# Altium PCB Slave.PcbDoc (part 4 of 10) (continued)
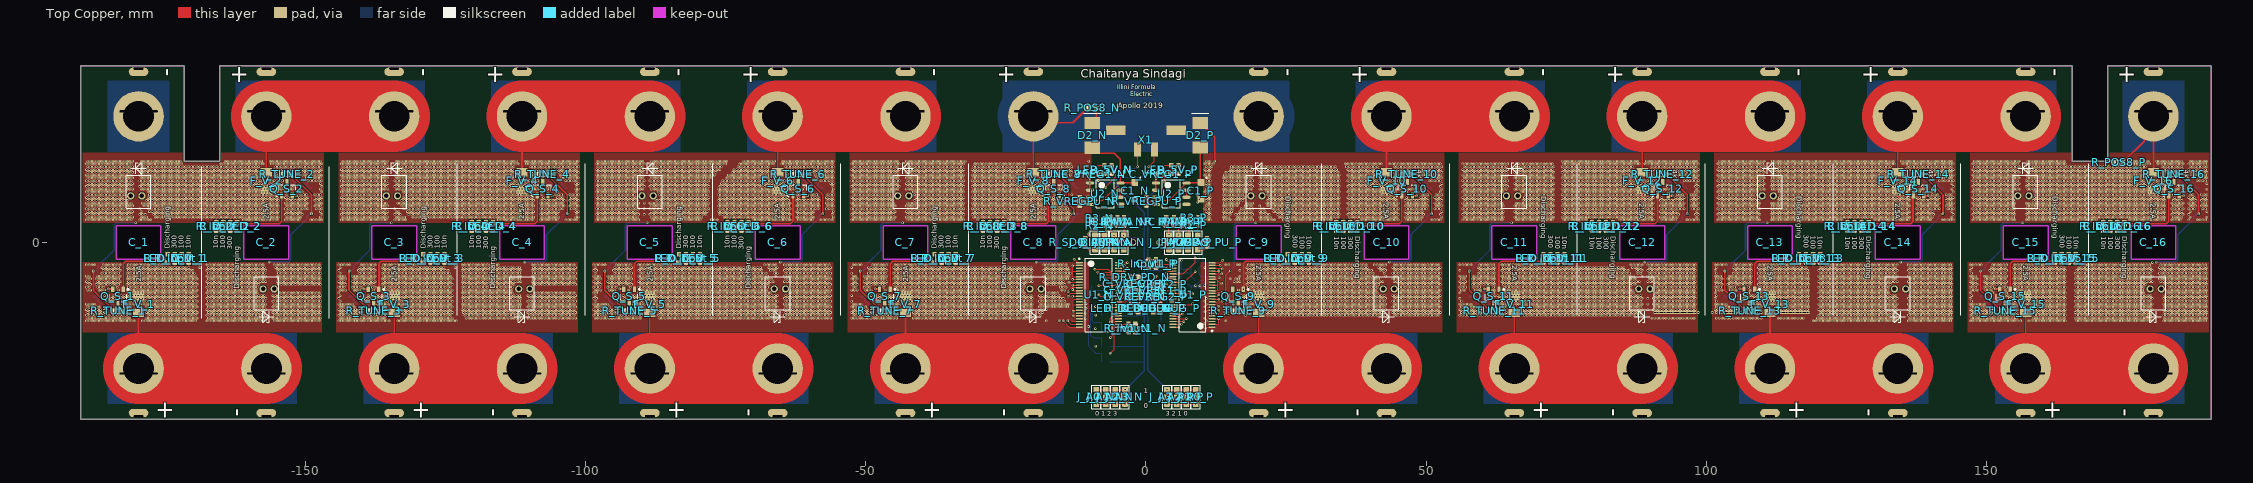
[diagram p0: Top Copper view]
## Nets (pads, with @x,y where several pads share a name; then routed paths per layer and width w, separated by ;. In a path a pad name is that pad's centre, name@x,y a point inside that pad or via, vN(x,y) a via of type N, cw(c..) or ccw(c..) an arc to the next point about the centre after c; other vN are vias at no path point) (continued)
F_7: C_V_7.2 F_V_7.2 PTC_7.2 Q_D_7.2 R_D_LED_7.2 R_Input_7.1 | length 3.9
  Top Copper w0.254: R_D_LED_7.2@-36.45,-3.6 R_Input_7.1@-35.2,-3.6 C_V_7.2@-33.95,-3.6
  Top Copper w0.305: F_V_7.2@-42.925,-9.48 v1@-42.925,-8.1
  other v1: -17.751,-14 -52.5,-13.5 -52,-13.5 -51.5,-13.5 -51,-13.5 -50.5,-13.5 -50,-13.5 -49.5,-13.5 -49,-13.5 -48.5,-13.5 -48,-13.5 -47.5,-13.5 -47,-13.5 -46.5,-13.5 -46,-13.5 -45.5,-13.5 -45,-13.5 -44.5,-13.5 -41.5,-13.5 -41,-13.5 -40.5,-13.5 -40,-13.5 -39.501,-13.5 -39.001,-13.5 -38.501,-13.5 -38.001,-13.5 -37.501,-13.5 -37.001,-13.5 -36.501,-13.5 -36.001,-13.5 -35.501,-13.5 -35.001,-13.5 -34.501,-13.5 -34.001,-13.5 -33.501,-13.5 -33.001,-13.5 -32.501,-13.5 -32.001,-13.5 -31.501,-13.5 -31.001,-13.5 -30.501,-13.5 -30.001,-13.5 -29.501,-13.5 -29.001,-13.5 -28.501,-13.5 -28.001,-13.5 -27.501,-13.5 -27.001,-13.5 -26.501,-13.5 -26.001,-13.5 -25.501,-13.5 -25.001,-13.5 -24.501,-13.5 -24.001,-13.5 -23.501,-13.5 -23.001,-13.5 -22.501,-13.5 -22.001,-13.5 -21.501,-13.5 -21.001,-13.5 -20.501,-13.5 -52.25,-13 -51.75,-13 -51.25,-13 -50.75,-13 -50.25,-13 -49.75,-13 -49.25,-13 -48.75,-13 -48.25,-13 -47.75,-13 -47.25,-13 -46.75,-13 -46.25,-13 -45.75,-13 -45.25,-13 -44.75,-13 -44.25,-13 -41.25,-13 -40.75,-13 -40.25,-13 -39.75,-13 -39.251,-13 -38.751,-13 -38.251,-13 -37.751,-13 -37.251,-13 -36.751,-13 -36.251,-13 -35.751,-13 -35.251,-13 -34.751,-13 -34.251,-13 -33.751,-13 -33.251,-13 -32.751,-13 -32.251,-13 -31.751,-13 -31.251,-13 -30.751,-13 -30.251,-13 -29.751,-13 -29.251,-13 -28.751,-13 -28.251,-13 -27.751,-13 -27.251,-13 -26.751,-13 -26.251,-13 -25.751,-13 -25.251,-13 -24.751,-13 -24.251,-13 -23.751,-13 -23.251,-13 -22.751,-13 -22.251,-13 -21.751,-13 -21.251,-13 -20.751,-13 -20.251,-13 -18.751,-13 -52.5,-12.5 -52,-12.5 -51.5,-12.5 -51,-12.5 -50.5,-12.5 -50,-12.5 -49.5,-12.5 -49,-12.5 -45,-12.5 -44.5,-12.5 -41.5,-12.5 -41,-12.5 -40.5,-12.5 -40,-12.5 -39.501,-12.5 -39.001,-12.5 -38.501,-12.5 -38.001,-12.5 -37.501,-12.5 -37.001,-12.5 -36.501,-12.5 -36.001,-12.5 -35.501,-12.5 -35.001,-12.5 -34.501,-12.5 -34.001,-12.5 -33.501,-12.5 -33.001,-12.5 -32.501,-12.5 -32.001,-12.5 -31.501,-12.5 -31.001,-12.5 -30.501,-12.5 -30.001,-12.5 -29.501,-12.5 -29.001,-12.5 -28.501,-12.5 -28.001,-12.5 -27.501,-12.5 -27.001,-12.5 -26.501,-12.5 -26.001,-12.5 -25.501,-12.5 -25.001,-12.5 -24.501,-12.5 -24.001,-12.5 -23.501,-12.5 -23.001,-12.5 -22.501,-12.5 -22.001,-12.5 -21.501,-12.5 -21.001,-12.5 -20.501,-12.5 -19.001,-12.5 -18.501,-12.5 -52.25,-12 -51.75,-12 -51.25,-12 -50.75,-12 -50.25,-12 -49.75,-12 -44.75,-12 -44.25,-12 -41.25,-12 -40.75,-12 -40.25,-12 -39.75,-12 -39.251,-12 -38.751,-12 -38.251,-12 -37.751,-12 -37.251,-12 -36.751,-12 -36.251,-12 -35.751,-12 -35.251,-12 -34.751,-12 -34.251,-12 -33.751,-12 -33.251,-12 -32.751,-12 -32.251,-12 -31.751,-12 -31.251,-12 -30.751,-12 -30.251,-12 -29.751,-12 -29.251,-12 -28.751,-12 -28.251,-12 -27.751,-12 -27.251,-12 -26.751,-12 -26.251,-12 -25.751,-12 -25.251,-12 -24.751,-12 -24.251,-12 -23.751,-12 -23.251,-12 -22.751,-12 -22.251,-12 -21.751,-12 -21.251,-12 -20.751,-12 -20.251,-12 -18.751,-12 -18.251,-12 -17.751,-12 -52.5,-11.5 -52,-11.5 -51.5,-11.5 -51,-11.5 -50.5,-11.5 -50,-11.5 -45,-11.5 -44.5,-11.5 -41.5,-11.5 -41,-11.5 -40.5,-11.5 -40,-11.5 -39.501,-11.5 -39.001,-11.5 -38.501,-11.5 -38.001,-11.5 -37.501,-11.5 -37.001,-11.5 -36.501,-11.5 -36.001,-11.5 -35.501,-11.5 -35.001,-11.5 -34.501,-11.5 -34.001,-11.5 -33.501,-11.5 -33.001,-11.5 -32.501,-11.5 -32.001,-11.5 -31.501,-11.5 -31.001,-11.5 -30.501,-11.5 -30.001,-11.5 -29.501,-11.5 -29.001,-11.5 -28.501,-11.5 -28.001,-11.5 -27.501,-11.5 -27.001,-11.5 -26.501,-11.5 -26.001,-11.5 -25.501,-11.5 -25.001,-11.5 -24.501,-11.5 -24.001,-11.5 -23.501,-11.5 -23.001,-11.5 -22.501,-11.5 -22.001,-11.5 -21.501,-11.5 -21.001,-11.5 -20.501,-11.5 -19.001,-11.5 -18.501,-11.5 -18.001,-11.5 -17.501,-11.5 -17.001,-11.5 -16.501,-11.5 -16.001,-11.5 -15.501,-11.5 -15.001,-11.5 -14.501,-11.5 -14.001,-11.5 -52.25,-11 -51.75,-11 -51.25,-11 -50.75,-11 -45.75,-11 -45.25,-11 -44.75,-11 -44.25,-11 -43.75,-11 -43.25,-11 -42.75,-11 -42.25,-11 -41.75,-11 -41.25,-11 -40.75,-11 -40.25,-11 -39.75,-11 -39.251,-11 -38.751,-11 -38.251,-11 -37.751,-11 -37.251,-11 -36.751,-11 -36.251,-11 -35.751,-11 -35.251,-11 -34.751,-11 -34.251,-11 -33.751,-11 -33.251,-11 -32.751,-11 -32.251,-11 -31.751,-11 -31.251,-11 -30.751,-11 -30.251,-11 -29.751,-11 -29.251,-11 -28.751,-11 -28.251,-11 -27.751,-11 -27.251,-11 -26.751,-11 -26.251,-11 -25.751,-11 -25.251,-11 -24.751,-11 -24.251,-11 -23.751,-11 -23.251,-11 -22.751,-11 -22.251,-11 -21.751,-11 -21.251,-11 -20.751,-11 -20.251,-11 -18.751,-11 -18.251,-11 -17.751,-11 -17.251,-11 -16.751,-11 -16.251,-11 -15.751,-11 -15.251,-11 -14.751,-11 -14.251,-11 -13.751,-11 -52.5,-10.5 -45.5,-10.5 -45,-10.5 -44.5,-10.5 -44,-10.5 -43.5,-10.5 -43,-10.5 -42.5,-10.5 -42,-10.5 -41.5,-10.5 -41,-10.5 -40.5,-10.5 -40,-10.5 -39.501,-10.5 -39.001,-10.5 -38.501,-10.5 -38.001,-10.5 -37.501,-10.5 -37.001,-10.5 -36.501,-10.5 -36.001,-10.5 -35.501,-10.5 -35.001,-10.5 -34.501,-10.5 -34.001,-10.5 -33.501,-10.5 -33.001,-10.5 -32.501,-10.5 -32.001,-10.5 -31.501,-10.5 -31.001,-10.5 -30.501,-10.5 -30.001,-10.5 -29.501,-10.5 -29.001,-10.5 -28.501,-10.5 -28.001,-10.5 -27.501,-10.5 -27.001,-10.5 -26.501,-10.5 -26.001,-10.5 -25.501,-10.5 -25.001,-10.5 -24.501,-10.5 -24.001,-10.5 -23.501,-10.5 -23.001,-10.5 -22.501,-10.5 -22.001,-10.5 -21.501,-10.5 -21.001,-10.5 -20.501,-10.5 -19.001,-10.5 -18.501,-10.5 -18.001,-10.5 -17.501,-10.5 -17.001,-10.5 -16.501,-10.5 -16.001,-10.5 -15.501,-10.5 -15.001,-10.5 -14.501,-10.5 -47.75,-10 -47.25,-10 -45.75,-10 -45.25,-10 -44.75,-10 -44.25,-10 -43.75,-10 -43.25,-10 -42.75,-10 -42.25,-10 -41.75,-10 -41.25,-10 -40.75,-10 -40.25,-10 -39.75,-10 -39.251,-10 -38.751,-10 -38.251,-10 -37.751,-10 -37.251,-10 -36.751,-10 -36.251,-10 -35.751,-10 -35.251,-10 -34.751,-10 -34.251,-10 -33.751,-10 -33.251,-10 -32.751,-10 -32.251,-10 -31.751,-10 -31.251,-10 -30.751,-10 -30.251,-10 -29.751,-10 -29.251,-10 -28.751,-10 -28.251,-10 -27.751,-10 -27.251,-10 -26.751,-10 -26.251,-10 -25.751,-10 -25.251,-10 -24.751,-10 -24.251,-10 -23.751,-10 -23.251,-10 -22.751,-10 -22.251,-10 -21.751,-10 -21.251,-10 -20.751,-10 -20.251,-10 -18.751,-10 -18.251,-10 -17.751,-10 -17.251,-10 -16.751,-10 -16.251,-10 -15.751,-10 -15.251,-10 -14.751,-10 -52.5,-9.5 -49,-9.5 -47.5,-9.5 -47,-9.5 -46.5,-9.5 -46,-9.5 -45.5,-9.5 -45,-9.5 -44.5,-9.5 -44,-9.5 -43.5,-9.5 -43,-9.5 -42.5,-9.5 -42,-9.5 -41.5,-9.5 -41,-9.5 -40.5,-9.5 -40,-9.5 -39.501,-9.5 -39.001,-9.5 -38.501,-9.5 -38.001,-9.5 -37.501,-9.5 -37.001,-9.5 -36.501,-9.5 -36.001,-9.5 -35.501,-9.5 -35.001,-9.5 -34.501,-9.5 -34.001,-9.5 -33.501,-9.5 -33.001,-9.5 -32.501,-9.5 -32.001,-9.5 -31.501,-9.5 -31.001,-9.5 -30.501,-9.5 -30.001,-9.5 -29.501,-9.5 -29.001,-9.5 -28.501,-9.5 -28.001,-9.5 -27.501,-9.5 -27.001,-9.5 -26.501,-9.5 -26.001,-9.5 -25.501,-9.5 -25.001,-9.5 -24.501,-9.5 -24.001,-9.5 -23.501,-9.5 -23.001,-9.5 -22.501,-9.5 -22.001,-9.5 -21.501,-9.5 -21.001,-9.5 -20.501,-9.5 -19.001,-9.5 -18.501,-9.5 -18.001,-9.5 -17.501,-9.5 -17.001,-9.5 -16.501,-9.5 -16.001,-9.5 -15.501,-9.5 -49.25,-9 -46.75,-9 -44.75,-9 -44.25,-9 -43.75,-9 -43.25,-9 -42.75,-9 -42.25,-9 -41.75,-9 -41.25,-9 -40.75,-9 -40.25,-9 -39.75,-9 -39.251,-9 -38.751,-9 -38.251,-9 -37.751,-9 -37.251,-9 -36.751,-9 -36.251,-9 -35.751,-9 -35.251,-9 -34.751,-9 -34.251,-9 -33.751,-9 -33.251,-9 -32.751,-9 -32.251,-9 -31.751,-9 -31.251,-9 -30.751,-9 -30.251,-9 -29.751,-9 -29.251,-9 -28.751,-9 -28.251,-9 -27.751,-9 -27.251,-9 -26.751,-9 -26.251,-9 -25.751,-9 -25.251,-9 -24.751,-9 -24.251,-9 -23.751,-9 -23.251,-9 -22.751,-9 -22.251,-9 -21.751,-9 -17.751,-9 -17.251,-9 -16.751,-9 -16.251,-9 -15.751,-9 -52.5,-8.5 -52,-8.5 -51.5,-8.5 -50,-8.5 -49.5,-8.5 -49,-8.5 -46.5,-8.5 -44.5,-8.5 -44,-8.5 -43.5,-8.5 -43,-8.5 -42.5,-8.5 -42,-8.5 -41.5,-8.5 -41,-8.5 -40.5,-8.5 -40,-8.5 -39.501,-8.5 -39.001,-8.5 -38.501,-8.5 -38.001,-8.5 -37.501,-8.5 -37.001,-8.5 -36.501,-8.5 -36.001,-8.5 -35.501,-8.5 -35.001,-8.5 -34.501,-8.5 -34.001,-8.5 -33.501,-8.5 -33.001,-8.5 -32.501,-8.5 -32.001,-8.5 -31.501,-8.5 -31.001,-8.5 -30.501,-8.5 -30.001,-8.5 -29.501,-8.5 -29.001,-8.5 -28.501,-8.5 -28.001,-8.5 -27.501,-8.5 -27.001,-8.5 -26.501,-8.5 -26.001,-8.5 -25.501,-8.5 -25.001,-8.5 -24.501,-8.5 -24.001,-8.5 -23.501,-8.5 -23.001,-8.5 -22.501,-8.5 -22.001,-8.5 -15.001,-8.5 -14.501,-8.5 -52.25,-8 -51.75,-8 -50.25,-8 -49.75,-8 -49.25,-8 -46.75,-8 -44.75,-8 -44.25,-8 -43.75,-8 -43.25,-8 -42.75,-8 -42.25,-8 -41.75,-8 -41.25,-8 -40.75,-8 -40.25,-8 -39.75,-8 -39.251,-8 -38.751,-8 -38.251,-8 -37.751,-8 -37.251,-8 -36.751,-8 -36.251,-8 -35.751,-8 -35.251,-8 -34.751,-8 -34.251,-8 -33.751,-8 -33.251,-8 -32.751,-8 -32.251,-8 -31.751,-8 -31.251,-8 -30.751,-8 -30.251,-8 -29.751,-8 -29.251,-8 -28.751,-8 -28.251,-8 -27.751,-8 -27.251,-8 -26.751,-8 -26.251,-8 -25.751,-8 -25.251,-8 -24.751,-8 -24.251,-8 -23.751,-8 -23.251,-8 -22.751,-8 -22.251,-8 -21.751,-8 -15.251,-8 -14.751,-8 -14.251,-8 -52.5,-7.5 -52,-7.5 -51.5,-7.5 -50,-7.5 -49.5,-7.5 -49,-7.5 -48.5,-7.5 -48,-7.5 -47.5,-7.5 -47,-7.5 -46.5,-7.5 -45,-7.5 -44.5,-7.5 -44,-7.5 -43.5,-7.5 -43,-7.5 -42.5,-7.5 -42,-7.5 -41.5,-7.5 -41,-7.5 -40.5,-7.5 -40,-7.5 -39.501,-7.5 -39.001,-7.5 -38.501,-7.5 -38.001,-7.5 -37.501,-7.5 -37.001,-7.5 -36.501,-7.5 -36.001,-7.5 -35.501,-7.5 -35.001,-7.5 -34.501,-7.5 -34.001,-7.5 -33.501,-7.5 -33.001,-7.5 -32.501,-7.5 -32.001,-7.5 -31.501,-7.5 -31.001,-7.5 -30.501,-7.5 -30.001,-7.5 -29.501,-7.5 -29.001,-7.5 -28.501,-7.5 -28.001,-7.5 -27.501,-7.5 -27.001,-7.5 -26.501,-7.5 -26.001,-7.5 -25.501,-7.5 -25.001,-7.5 -24.501,-7.5 -24.001,-7.5 -23.501,-7.5 -23.001,-7.5 -22.501,-7.5 -22.001,-7.5 -21.501,-7.5 -18.001,-7.5 -17.501,-7.5 -17.001,-7.5 -16.501,-7.5 -16.001,-7.5 -15.501,-7.5 -15.001,-7.5 -14.501,-7.5 -52.25,-7 -51.75,-7 -50.25,-7 -49.75,-7 -49.25,-7 -48.75,-7 -48.25,-7 -47.75,-7 -47.25,-7 -46.75,-7 -46.25,-7 -44.75,-7 -44.25,-7 -43.75,-7 -43.25,-7 -42.75,-7 -42.25,-7 -41.75,-7 -41.25,-7 -40.75,-7 -40.25,-7 -39.75,-7 -39.251,-7 -38.751,-7 -38.251,-7 -37.751,-7 -37.251,-7 -36.751,-7 -36.251,-7 -35.751,-7 -35.251,-7 -34.751,-7 -34.251,-7 -33.751,-7 -33.251,-7 -32.751,-7 -32.251,-7 -31.751,-7 -31.251,-7 -30.751,-7 -30.251,-7 -29.751,-7 -29.251,-7 -28.751,-7 -28.251,-7 -27.751,-7 -27.251,-7 -26.751,-7 -26.251,-7 -25.751,-7 -25.251,-7 -24.751,-7 -24.251,-7 -23.751,-7 -23.251,-7 -22.751,-7 -22.251,-7 -21.751,-7 -21.251,-7 -20.751,-7 -20.251,-7 -18.251,-7 -17.751,-7 -17.251,-7 -16.751,-7 -16.251,-7 -15.751,-7 -15.251,-7 -14.751,-7 -52.5,-6.5 -52,-6.5 -51.5,-6.5 -50,-6.5 -49.5,-6.5 -49,-6.5 -48.5,-6.5 -48,-6.5 -47.5,-6.5 -47,-6.5 -46.5,-6.5 -45,-6.5 -44.5,-6.5 -44,-6.5 -43.5,-6.5 -43,-6.5 -42.5,-6.5 -42,-6.5 -41.5,-6.5 -41,-6.5 -40.5,-6.5 -40,-6.5 -39.501,-6.5 -39.001,-6.5 -38.501,-6.5 -38.001,-6.5 -37.501,-6.5 -37.001,-6.5 -36.501,-6.5 -36.001,-6.5 -35.501,-6.5 -35.001,-6.5 -34.501,-6.5 -34.001,-6.5 -33.501,-6.5 -33.001,-6.5 -32.501,-6.5 -32.001,-6.5 -31.501,-6.5 -31.001,-6.5 -30.501,-6.5 -30.001,-6.5 -29.501,-6.5 -29.001,-6.5 -28.501,-6.5 -28.001,-6.5 -27.501,-6.5 -27.001,-6.5 -26.501,-6.5 -26.001,-6.5 -25.501,-6.5 -25.001,-6.5 -24.501,-6.5 -24.001,-6.5 -23.501,-6.5 -23.001,-6.5 -22.501,-6.5 -22.001,-6.5 -21.501,-6.5 -21.001,-6.5 -20.501,-6.5 -18.001,-6.5 -17.501,-6.5 -17.001,-6.5 -16.501,-6.5 -16.001,-6.5 -15.501,-6.5 -15.001,-6.5 -14.501,-6.5 -14.001,-6.5 -52.25,-6 -51.75,-6 -50.25,-6 -49.75,-6 -49.25,-6 -48.75,-6 -48.25,-6 -47.75,-6 -47.25,-6 -46.75,-6 -46.25,-6 -44.75,-6 -44.25,-6 -43.75,-6 -43.25,-6 -42.75,-6 -42.25,-6 -41.75,-6 -41.25,-6 -40.75,-6 -40.25,-6 -39.75,-6 -39.251,-6 -38.751,-6 -38.251,-6 -37.751,-6 -37.251,-6 -36.751,-6 -36.251,-6 -35.751,-6 -35.251,-6 -34.751,-6 -34.251,-6 -33.751,-6 -33.251,-6 -32.751,-6 -32.251,-6 -31.751,-6 -31.251,-6 -30.751,-6 -30.251,-6 -29.751,-6 -29.251,-6 -28.751,-6 -28.251,-6 -27.751,-6 -27.251,-6 -26.751,-6 -26.251,-6 -25.751,-6 -25.251,-6 -24.751,-6 -24.251,-6 -23.751,-6 -23.251,-6 -22.751,-6 -22.251,-6 -21.751,-6 -21.251,-6 -20.751,-6 -20.251,-6 -18.251,-6 -17.751,-6 -17.251,-6 -16.751,-6 -16.251,-6 -15.751,-6 -15.251,-6 -14.751,-6 -14.251,-6 -13.751,-6 -52.5,-5.5 -49.5,-5.5 -49,-5.5 -48.5,-5.5 -48,-5.5 -47.5,-5.5 -47,-5.5 -46.5,-5.5 -45,-5.5 -44.5,-5.5 -44,-5.5 -43.5,-5.5 -43,-5.5 -42.5,-5.5 -42,-5.5 -41.5,-5.5 -41,-5.5 -40.5,-5.5 -40,-5.5 -39.501,-5.5 -39.001,-5.5 -38.501,-5.5 -38.001,-5.5 -37.501,-5.5 -37.001,-5.5 -36.501,-5.5 -36.001,-5.5 -35.501,-5.5 -35.001,-5.5 -34.501,-5.5 -34.001,-5.5 -33.501,-5.5 -33.001,-5.5 -32.501,-5.5 -32.001,-5.5 -31.501,-5.5 -31.001,-5.5 -30.501,-5.5 -30.001,-5.5 -29.501,-5.5 -29.001,-5.5 -28.501,-5.5 -28.001,-5.5 -27.501,-5.5 -27.001,-5.5 -26.501,-5.5 -26.001,-5.5 -25.501,-5.5 -25.001,-5.5 -24.501,-5.5 -24.001,-5.5 -23.501,-5.5 -23.001,-5.5 -22.501,-5.5 -22.001,-5.5 -21.501,-5.5 -21.001,-5.5 -20.501,-5.5 -18.001,-5.5 -17.501,-5.5 -17.001,-5.5 -16.501,-5.5 -16.001,-5.5 -15.501,-5.5 -15.001,-5.5 -14.501,-5.5 -14.001,-5.5 -13.501,-5.5 -49.25,-5 -48.75,-5 -48.25,-5 -47.75,-5 -47.25,-5 -46.75,-5 -46.25,-5 -44.75,-5 -44.25,-5 -43.75,-5 -43.25,-5 -42.75,-5 -42.25,-5 -41.75,-5 -41.25,-5 -40.75,-5 -40.25,-5 -39.75,-5 -39.251,-5 -38.751,-5 -38.251,-5 -37.751,-5 -37.251,-5 -36.751,-5 -36.251,-5 -35.751,-5 -35.251,-5 -34.751,-5 -34.251,-5 -33.751,-5 -33.251,-5 -32.751,-5 -32.251,-5 -31.751,-5 -31.251,-5 -30.751,-5 -30.251,-5 -29.751,-5 -29.251,-5 -28.751,-5 -28.251,-5 -27.751,-5 -27.251,-5 -26.751,-5 -26.251,-5 -25.751,-5 -25.251,-5 -24.751,-5 -24.251,-5 -23.751,-5 -23.251,-5 -22.751,-5 -22.251,-5 -21.751,-5 -21.251,-5 -20.751,-5 -20.251,-5 -18.251,-5 -17.751,-5 -17.251,-5 -16.751,-5 -16.251,-5 -15.751,-5 -15.251,-5 -14.751,-5 -14.251,-5 -13.751,-5 -52.5,-4.5 -49.5,-4.5 -49,-4.5 -48.5,-4.5 -48,-4.5 -47.5,-4.5 -47,-4.5 -46.5,-4.5 -45,-4.5 -44.5,-4.5 -44,-4.5 -43.5,-4.5 -43,-4.5 -42.5,-4.5 -42,-4.5 -41.5,-4.5 -41,-4.5 -40.5,-4.5 -40,-4.5 -39.501,-4.5 -39.001,-4.5 -38.501,-4.5 -38.001,-4.5 -37.501,-4.5 -37.001,-4.5 -36.501,-4.5 -36.001,-4.5 -35.501,-4.5 -35.001,-4.5 -34.501,-4.5 -34.001,-4.5 -33.501,-4.5 -33.001,-4.5 -32.501,-4.5 -32.001,-4.5 -31.501,-4.5 -31.001,-4.5 -30.501,-4.5 -30.001,-4.5 -29.501,-4.5 -29.001,-4.5 -28.501,-4.5 -28.001,-4.5 -27.501,-4.5 -27.001,-4.5 -26.501,-4.5 -26.001,-4.5 -25.501,-4.5 -25.001,-4.5 -24.501,-4.5 -24.001,-4.5 -23.501,-4.5 -23.001,-4.5 -22.501,-4.5 -22.001,-4.5 -21.501,-4.5 -21.001,-4.5 -20.501,-4.5 -18.001,-4.5 -17.501,-4.5 -17.001,-4.5 -16.501,-4.5 -16.001,-4.5 -15.501,-4.5 -15.001,-4.5 -14.501,-4.5 -14.001,-4.5 -52.25,-4 -51.75,-4 -51.25,-4 -50.75,-4 -48.75,-4 -48.25,-4 -47.75,-4 -47.25,-4 -46.75,-4 -46.25,-4 -44.75,-4 -44.25,-4 -43.75,-4 -43.25,-4 -42.75,-4 -42.25,-4 -41.75,-4 -41.25,-4 -40.75,-4 -40.25,-4 -39.75,-4 -39.251,-4 -38.751,-4 -18.251,-4 -17.751,-4 -17.251,-4 -16.751,-4 -16.251,-4 -15.751,-4 -15.251,-4 -14.751,-4 -14.251,-4